# Altium PCB Version_2.PcbDoc (part 5 of 6)
Units mil, origin at the board's own origin, x right, y up, seen from the top; angles counter-clockwise.
Board outline 6692.91 x 6692.91 mil, 4 copper layers (Component Side, Ground Plane, Power, Solder Side), stack 33.234 mil thick; 798 components, 528 nets, 2533 pads, 836 vias.
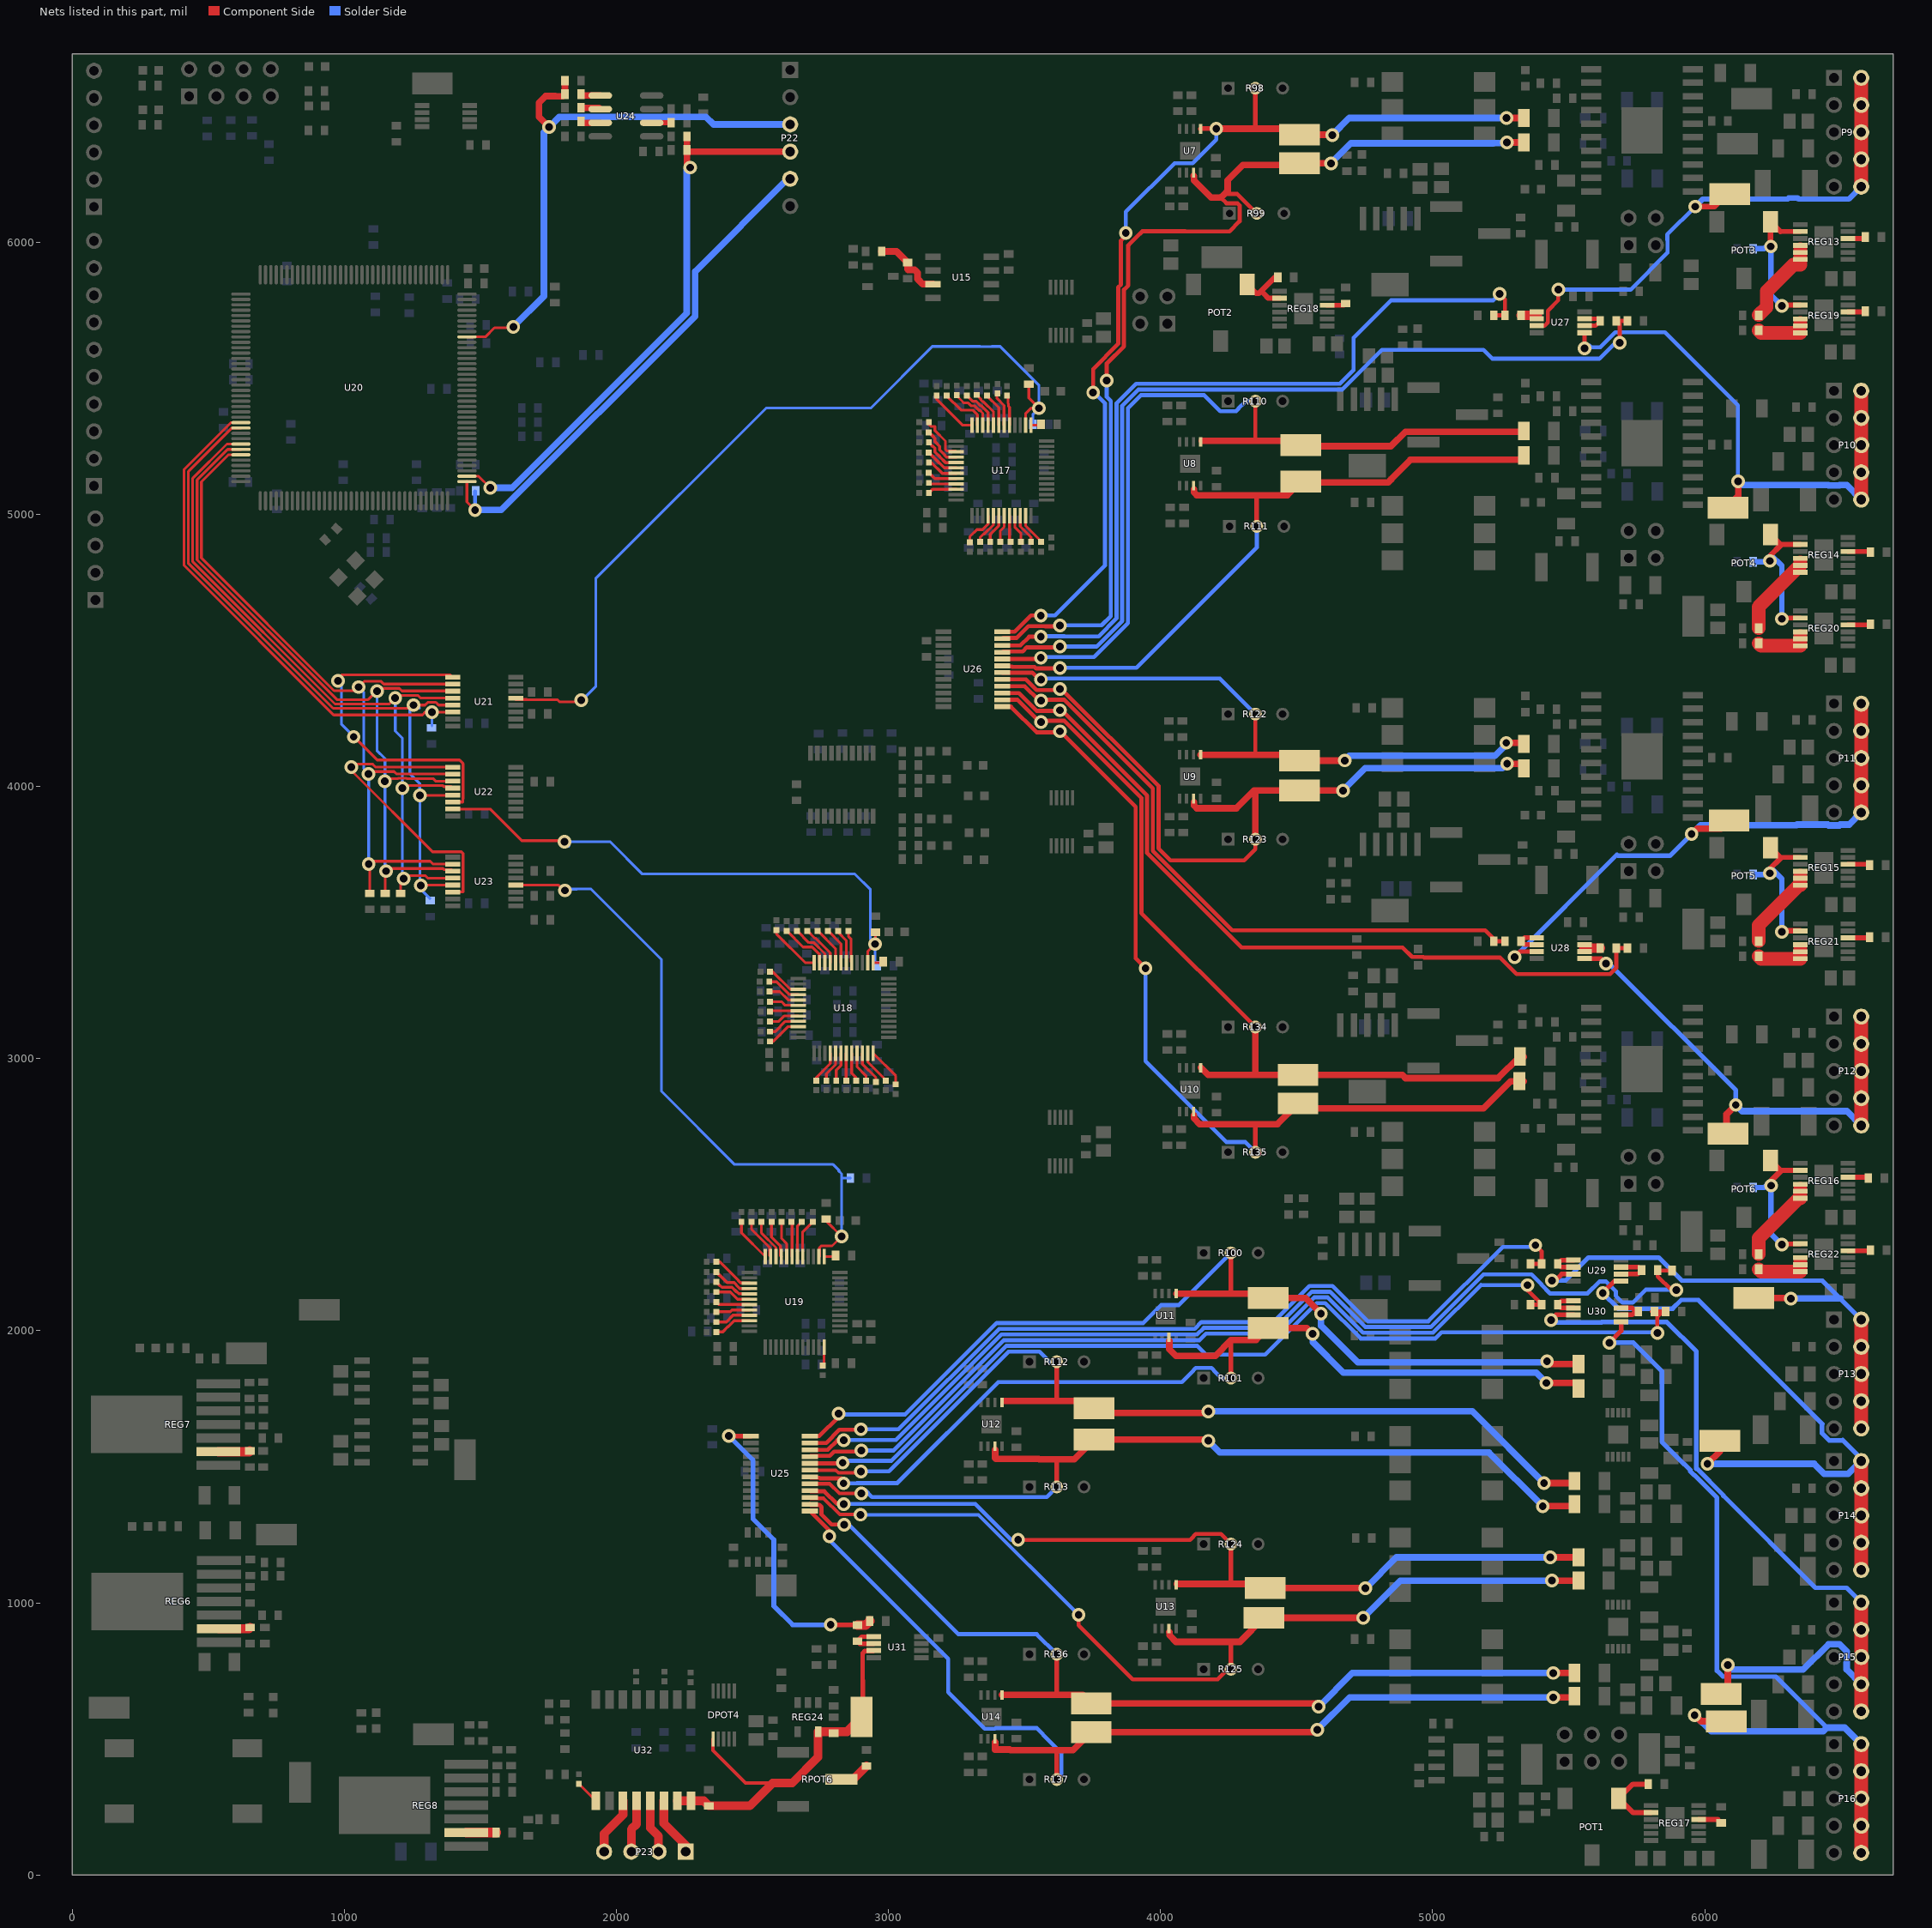
[diagram p7: the nets of this part, all layers, seen from the top]

## Via types
v1: diameter 50, hole 28, Component Side to Solder Side, 831 vias
v2: diameter 50/50/50 (per signal layer), hole 28, Component Side to Solder Side, 4 vias
v3: diameter 37.4, hole 19.68, Component Side to Solder Side, 1 vias

## Nets (pads, with @x,y where several pads share a name; then routed paths per layer and width w, separated by ;. In a path a pad name is that pad's centre, name@x,y a point inside that pad or via, vN(x,y) a via of type N, cw(c..) or ccw(c..) an arc to the next point about the centre after c; other vN are vias at no path point) (continued)
NetR306_2: R306.2 U24.7 | length 66
  Component Side w24: R306.2@1874.72,6439.04 U24.7@1940.71,6439.04
NetR307_2: R307.2 U24.6 | length 66
  Component Side w24: R307.2@1869.72,6494.04 U24.6@1935.71,6494.04
NetR308_2: R308.2 U24.5 | length 66
  Component Side w24: R308.2@1874.72,6539.04 U24.5@1940.71,6539.04
NetR309_2: R309.2 U24.2 | length 71
  Component Side w20: U24.2@2129.68,6439.04 R309.2@2200.67,6439.04
NetR331_1: R331.1 REG13.4 | length 59.5
  Component Side w18: REG13.4@6526.14,6013.76 R331.1@6585.61,6013.76
NetR332_1: R332.1 REG14.4 | length 80.1
  Component Side w18: REG14.4@6526.14,4863.76 R332.1@6606.22,4863.76
NetR333_1: R333.1 REG15.4 | length 77
  Component Side w18: REG15.4@6526.14,3713.76 R333.1@6603.17,3713.76
NetR334_1: R334.1 REG16.4 | length 74.5
  Component Side w18: REG16.4@6526.14,2563.76 R334.1@6598.64,2563.76
  Component Side w20: R334.1@6601.38,2561.02 R334.1@6601.38,2563.01
NetR335_1: R335.1 REG17.4 | length 87.5
  Component Side w19: REG17.4@5977.84,203.76 6047.91,203.76 R335.1@6060.24,191.43
NetR336_1: R336.1 REG18.4 | length 61.4
  Component Side w18: REG18.4@4611.85,5768.76 R336.1@4673.29,5768.76
NetR337_1: R337.1 REG19.4 | length 62.2
  Component Side w18: REG19.4@6526.14,5743.76 R337.1@6588.35,5743.76
NetR338_1: R338.1 REG20.4 | length 80.7
  Component Side w18: REG20.4@6526.14,4593.76 R338.1@6606.81,4593.76
NetR339_1: R339.1 REG21.4 | length 78
  Component Side w18: REG21.4@6526.14,3443.76 R339.1@6604.19,3443.76
NetR340_1: R340.1 REG22.4 | length 80.7
  Component Side w18: REG22.4@6526.14,2293.76 R340.1@6606.81,2293.76
NetR367_2: R367.2 RPOT6.2 | length 112.9
  Component Side w32: RPOT6.2@2826.77,351.38 2870.08,351.38 R367.2@2919.29,400.59
NetR375_1: R375.1 U18.24 | length 148.5
  Component Side w10: U18.24@2943.51,3019.62 3026.57,2936.56 R375.1@3026.57,2905.51
NetR376_1: R376.1 U19.24 | length 62.9
  Component Side w10: R376.1@2763.51,1876.69 U19.24@2763.51,1939.62
NetR377_2: R377.2 U19.48 | length 164.5
  Component Side w10: R377.2@2459.65,2400.59 2459.65,2359.63 U19.48@2546.97,2272.3
NetR378_2: R378.2 U18.48 | length 196.8
  Component Side w10: R378.2@2588.58,3472.44 2588.58,3457.68 2693.96,3352.3 U18.48@2726.97,3352.3
NetR379_2: R379.2 U19.47 | length 153.4
  Component Side w10: R379.2@2496.49,2400.59 2496.49,2372.79 2563.88,2305.4 U19.47@2563.88,2275.08
NetR380_2: R380.2 U17.48 | length 182.5
  Component Side w10: R380.2@3176.74,5436.02 3176.74,5423.65 3273.09,5327.3 U17.48@3306.97,5327.3
NetR381_2: R381.2 U18.47 | length 186.6
  Component Side w10: R381.2@2626.41,3469.49 2685.85,3410.04 2719.24,3410.04 2746.66,3382.62 U18.47@2746.66,3352.3
NetR382_1: R382.1 U19.3 | length 154.4
  Component Side w11: R382.1@2367.13,2252.95 2380.2,2252.95 2448.86,2184.29 2448.86,2183.88 2455.59,2177.14 2456.01,2177.14 2458.29,2174.86 U19.3@2488.9,2174.86
NetR383_2: R383.2 U19.46 | length 150.2
  Component Side w10: R383.2@2533.32,2400.59 2533.32,2358.58 2586.34,2305.56 U19.46@2586.34,2272.3
NetR384_2: R384.2 U17.47 | length 180.6
  Component Side w10: R384.2@3213.72,5436.02 3266.55,5383.2 3309.38,5383.2 3326.66,5365.92 U17.47@3326.66,5327.3
NetR385_1: R385.1 U18.3 | length 130.4
  Component Side w10: R385.1@2564.96,3318.76 2574.68,3318.76 2638.58,3254.86 U18.3@2668.9,3254.86
NetR386_2: R386.2 U18.46 | length 170.1
  Component Side w10: R386.2@2664.23,3469.49 2707.68,3426.04 2725.86,3426.04 2766.34,3385.56 U18.46@2766.34,3352.3
NetR387_1: R387.1 U19.4 | length 147.6
  Component Side w11: R387.1@2367.13,2216.11 2381.64,2201.6 2382.72,2201.6 2389.45,2194.86 2389.45,2193.79 2406.8,2176.44 2432.25,2176.44 2448.55,2160.14 2448.97,2160.14 2453.93,2155.17 U19.4@2488.9,2155.17
NetR388_2: R388.2 U19.45 | length 143.1
  Component Side w10: R388.2@2570.16,2400.59 2570.16,2344.37 2603.25,2311.28 2603.25,2275.08 U19.45@2606.03,2272.3
NetR389_1: R389.1 U17.3 | length 168.3
  Component Side w10: R389.1@3148.62,5330.14 3155.47,5323.29 3170.45,5323.29 3170.45,5308.31 3209.36,5269.4 3209.36,5239.08 3215.8,5232.64 3246.12,5232.64 U17.3@3248.9,5229.86
NetR390_2: R390.2 U17.46 | length 166.9
  Component Side w10: R390.2@3250.7,5436.02 3265.86,5420.87 3265.86,5420.64 3277.05,5409.45 3293.05,5409.45 3303.3,5399.2 3316,5399.2 3333,5382.2 3336.06,5382.2 3346.34,5371.92 U17.46@3346.34,5327.3
NetR391_1: R391.1 U18.4 | length 123.4
  Component Side w10: R391.1@2564.96,3282.2 2588.61,3282.2 2635.64,3235.17 U18.4@2668.9,3235.17
NetR392_2: R392.2 U18.45 | length 153.7
  Component Side w10: R392.2@2702.05,3469.49 2729.5,3442.04 2732.49,3442.04 2786.03,3388.5 U18.45@2786.03,3352.3
NetR393_1: R393.1 U19.5 | length 139.9
  Component Side w11: R393.1@2367.13,2179.27 2381.64,2164.76 2382.72,2164.76 2388.04,2159.44 2425.21,2159.44 2441.51,2143.14 2441.93,2143.14 2449.58,2135.49 U19.5@2488.9,2135.49
NetR394_2: R394.2 U19.44 | length 136
  Component Side w10: R394.2@2607,2400.59 2607,2338.86 2625.71,2320.16 U19.44@2625.71,2272.3
NetR395_1: R395.1 U17.4 | length 154.1
  Component Side w11: R395.1@3148.62,5301.46 3163.42,5286.67 3164.21,5286.67 3170.95,5279.93 3170.95,5266.55 3171.25,5266.55 3187.95,5249.85 3187.95,5236.78 3204.95,5219.78 3204.95,5218.98 3213.75,5210.17 U17.4@3248.9,5210.17
NetR396_2: R396.2 U17.45 | length 151.2
  Component Side w10: R396.2@3287.68,5436.02 3289.1,5436.02 3309.92,5415.2 3322.63,5415.2 3339.63,5398.2 3342.69,5398.2 3366.03,5374.86 U17.45@3366.03,5327.3
NetR397_1: R397.1 U18.5 | length 116.4
  Component Side w10: R397.1@2564.96,3245.64 2600.82,3245.64 2630.97,3215.49 U18.5@2668.9,3215.49
NetR398_2: R398.2 U18.44 | length 144.5
  Component Side w10: R398.2@2739.87,3469.49 2805.71,3403.65 U18.44@2805.71,3352.3
NetR399_1: R399.1 U19.6 | length 132.8
  Component Side w11: R399.1@2367.13,2142.44 2418.17,2142.44 2434.47,2126.14 2434.88,2126.14 2445.22,2115.8 U19.6@2488.9,2115.8
NetR400_2: R400.2 U19.43 | length 126.7
  Component Side w10: U19.43@2645.4,2272.3 R400.2@2645.4,2399.04
NetR401_1: R401.1 U17.5 | length 139.8
  Component Side w11: R401.1@3148.62,5264.34 3152.95,5260.02 3152.95,5258.6 3162,5249.55 3164.21,5249.55 3170.95,5242.81 3170.95,5229.73 3187.95,5212.73 3187.95,5211.94 3209.4,5190.49 U17.5@3248.9,5190.49
NetR402_2: R402.2 U17.44 | length 137.5
  Component Side w10: R402.2@3324.66,5436.02 3327.49,5436.02 3339.82,5423.7 3339.82,5420.64 3346.26,5414.2 3349.32,5414.2 3385.71,5377.81 U17.44@3385.71,5327.3
NetR403_1: R403.1 U18.6 | length 109.4
  Component Side w10: R403.1@2564.96,3209.08 2606.86,3209.08 2620.14,3195.8 U18.6@2668.9,3195.8
NetR404_2: R404.2 U18.43 | length 136.9
  Component Side w10: R404.2@2777.7,3469.49 2825.4,3421.79 U18.43@2825.4,3352.3
NetR405_1: R405.1 U19.7 | length 125.7
  Component Side w11: R405.1@2367.13,2105.6 2376.6,2096.12 U19.7@2488.9,2096.12
NetR406_2: R406.2 U19.42 | length 134.8
  Component Side w10: U19.42@2665.08,2272.3 2665.67,2272.89 2665.67,2385.58 R406.2@2680.68,2400.59
NetR407_1: R407.1 U17.6 | length 124.1
  Component Side w11: R407.1@3148.62,5227.22 3163.42,5212.43 3164.21,5212.43 3170.95,5205.69 3170.95,5204.9 3205.04,5170.8 U17.6@3248.9,5170.8
NetR408_2: R408.2 U17.43 | length 126.8
  Component Side w10: R408.2@3361.64,5436.02 3405.4,5392.27 U17.43@3405.4,5327.3
NetR409_1: R409.1 U18.7 | length 100.3
  Component Side w10: R409.1@2568.56,3176.12 U18.7@2668.9,3176.12
NetR410_2: R410.2 U18.42 | length 129.4
  Component Side w10: R410.2@2815.52,3469.49 2815.52,3463.46 2845.08,3433.9 U18.42@2845.08,3352.3
NetR411_1: R411.1 U19.8 | length 125
  Component Side w11: R411.1@2367.13,2068.76 2367.43,2069.06 2417.08,2069.06 2424.45,2076.43 U19.8@2488.9,2076.43
NetR412_2: R412.2 U19.41 | length 143.9
  Component Side w10: U19.41@2684.77,2272.3 2684.77,2362.92 R412.2@2722.44,2400.59
NetR413_1: R413.1 U17.7 | length 116.4
  Component Side w11: R413.1@3148.62,5190.1 3158.32,5190.1 3197.31,5151.12 U17.7@3248.9,5151.12
NetR414_2: R414.2 U17.42 | length 119.7
  Component Side w10: R414.2@3398.62,5436.02 3398.62,5426.18 3424.58,5400.22 3424.58,5327.8 U17.42@3425.08,5327.3
NetR415_1: R415.1 U18.8 | length 112.4
  Component Side w10: R415.1@2564.96,3135.97 2595.65,3135.97 2616.12,3156.43 U18.8@2668.9,3156.43
NetR416_2: R416.2 U18.41 | length 118
  Component Side w10: R416.2@2853.34,3469.49 2853.34,3448.27 2861.99,3439.63 U18.41@2861.99,3355.08
NetR417_1: R417.1 U19.9 | length 132.1
  Component Side w11: R417.1@2367.13,2031.92 2403.98,2031.92 2428.81,2056.75 U19.9@2488.9,2056.75
NetR418_1: R418.1 U17.8 | length 109.2
  Component Side w11: R418.1@3148.62,5152.98 3163.42,5138.19 3164.21,5138.19 3170.95,5131.45 ; 3170.95,5131.43 U17.8@3248.9,5131.43
NetR419_2: R419.2 U17.41 | length 106.9
  Component Side w10: R419.2@3441.53,5430.1 3439.58,5430.1 3439.58,5407.85 3440.58,5406.85 3440.58,5398.15 3444.77,5393.97 U17.41@3444.77,5327.3
NetR420_1: R420.1 U18.9 | length 119.4
  Component Side w10: R420.1@2564.96,3099.41 2583.66,3099.41 2621,3136.75 U18.9@2668.9,3136.75
NetR421_1: R421.1 U19.10 | length 139.2
  Component Side w11: R421.1@2367.13,1995.08 2389.76,1995.08 2409.6,2014.92 2411.02,2014.92 2433.16,2037.06 U19.10@2488.9,2037.06
NetR422_1: R422.1 U17.9 | length 96.2
  Component Side w11: R422.1@3152.73,5111.75 U17.9@3248.9,5111.75
NetR423_1: R423.1 U18.10 | length 126.4
  Component Side w10: R423.1@2564.96,3062.85 2575.65,3062.85 2629.86,3117.06 U18.10@2668.9,3117.06
NetR424_1: R424.1 U17.10 | length 105.8
  Component Side w11: R424.1@3148.62,5078.74 3161.94,5092.06 U17.10@3248.9,5092.06
NetR425_1: R425.1 U18.16 | length 121.4
  Component Side w10: R425.1@2735.24,2919.29 2735.24,2931.1 2786.03,2981.89 U18.16@2786.03,3019.62
NetR426_1: R426.1 U17.16 | length 135.9
  Component Side w10: R426.1@3299.21,4898.62 3299.21,4918.31 3324.8,4943.9 3345.62,4943.9 3366.03,4964.3 U17.16@3366.03,4994.62
NetR427_1: R427.1 U18.17 | length 114.4
  Component Side w10: R427.1@2771.65,2919.29 2771.65,2943.9 2805.71,2977.95 U18.17@2805.71,3019.62
NetR428_1: R428.1 U17.17 | length 117.8
  Component Side w10: R428.1@3336.62,4898.62 3336.62,4914.81 3349.7,4927.9 3352.25,4927.9 3385.71,4961.36 U17.17@3385.71,4994.62
NetR429_1: R429.1 U18.18 | length 107.5
  Component Side w10: R429.1@2808.07,2919.29 2808.07,2957.69 2825.4,2975.01 U18.18@2825.4,3019.62
NetR430_1: R430.1 U17.18 | length 109
  Component Side w10: R430.1@3374.02,4898.62 3374.02,4927.04 3405.4,4958.42 U17.18@3405.4,4994.62
NetR431_1: R431.1 U18.19 | length 99.7
  Component Side w10: R431.1@2844.49,2919.29 U18.19@2844.49,3019.03
NetR432_1: R432.1 U17.19 | length 101.7
  Component Side w10: R432.1@3411.42,4898.62 3411.42,4939.96 3425.08,4953.62 U17.19@3425.08,4994.62
NetR433_1: R433.1 U18.20 | length 107
  Component Side w10: U18.20@2864.77,3019.62 2864.77,2946.26 2880.91,2930.12 R433.1@2880.91,2919.29
NetR434_1: R434.1 U17.20 | length 91.9
  Component Side w10: R434.1@3444.77,4902.68 U17.20@3444.77,4994.62
NetR435_1: R435.1 U18.21 | length 113.9
  Component Side w10: U18.21@2884.45,3019.62 2884.45,2969.88 2917.32,2937.01 R435.1@2917.32,2919.29
NetR436_1: R436.1 U17.21 | length 105
  Component Side w10: U17.21@3464.45,4994.62 3464.45,4952.87 3486.22,4931.1 R436.1@3486.22,4898.62
NetR437_1: R437.1 U18.22 | length 120.9
  Component Side w10: U18.22@2904.14,3019.62 2904.14,2979.72 2953.74,2930.12 R437.1@2953.74,2919.29
NetR438_1: R438.1 U17.22 | length 112.4
  Component Side w10: U17.22@3484.14,4994.62 3484.14,4955.81 3523.62,4916.33 R438.1@3523.62,4898.62
NetR439_1: R439.1 U18.23 | length 125.8
  Component Side w10: U18.23@2923.82,3019.62 2923.82,2987.6 R439.1@2990.16,2921.26
NetR440_1: R440.1 U17.23 | length 119.5
  Component Side w10: U17.23@3503.82,4994.62 3503.82,4958.76 3560.58,4901.99 R440.1@3560.58,4898.62
NetR444_2: R444.2 U32.9 | length 87.9
  Component Side w10: R444.2@1862.2,334.65 1924.21,272.64 U32.9@1924.41,272.64
OP193: C60.2 R147.2 U15.3 | length 265.5
  Component Side w25: R147.2@2974.77,5965.96 3029.77,5965.96 C60.2@3070.24,5925.49 3070.24,5901.22 3072.74,5898.71 3095.62,5898.71 3106.45,5887.88 3106.45,5865 3125.49,5845.96 U15.3@3162.95,5845.96
OUT1: P9.2 P9.4 P9.6 P9.8 P9.10 TP36.1 U27.3 | length 2028.9
  Component Side w14: U27.3@5382.64,5693.17 5410.87,5693.17 5413.86,5696.16 5414.6,5696.16 5422.21,5703.78 5422.21,5704.51 5423.18,5705.48 5423.18,5748.1 5461.61,5786.53
  Component Side w15: 5461.61,5786.53 v1(5461.61,5825.79)
  Component Side w20: v1(5965.24,6130.96) 6036.22,6130.96 TP36.1@6080.24,6174.98
  Component Side w50: P9.10@6575.24,6204.27 P9.8@6575.24,6304.27 P9.6@6575.24,6404.27 P9.4@6575.24,6504.27 P9.2@6575.24,6604.27
  Solder Side w15: v1(5461.61,5825.79) 5727.36,5825.79 5863.36,5961.78 5863.36,6007.09 5862.36,6008.09 5862.36,6028.08 v1(5965.24,6130.96)
  Solder Side w20: v1(5965.24,6130.96) 5993.02,6158.74 6304.5,6158.74 6307.82,6162.06 6341.79,6162.06 6345.11,6158.74 6529.71,6158.74 P9.10@6575.24,6204.27
OUT1A: R341.2 REG13.10 REG13.11 REG13.12 | length 320.1
  Component Side w50: R341.2@6198.07,5731.96 6227.55,5761.44 6227.55,5819.16 6325.35,5916.96 6350.95,5916.96 REG13.11@6350.95,5962.58 6350.95,5973.7
OUT1B: R345.2 REG19.10 REG19.11 REG19.12 | length 167.7
  Component Side w50: R345.2@6198.07,5675.96 6207.05,5666.99 REG19.12@6350.95,5666.99 ; REG19.11@6350.95,5692.58 6350.95,5703.7
OUT2: P10.2 P10.4 P10.6 P10.8 P10.10 TP41.1 U27.5 | length 2024.1
  Component Side w15: U27.5@5557.84,5667.58 5558.07,5667.81 v1(5558.07,5610.24)
  Component Side w24: TP41.1@6080.24,5024.98 6123.03,5067.77 v1(6123.03,5121.06)
  Component Side w50: P10.10@6575.24,5054.27 P10.8@6575.24,5154.27 P10.6@6575.24,5254.27 P10.4@6575.24,5354.27 P10.2@6575.24,5454.27
  Solder Side w15: v1@5575.79,5619.1 5577.04,5620.35 5583.22,5614.17 5616.26,5614.17 5671.47,5669.39 5853.15,5669.39 6122.05,5400.49 v1@6122.05,5107.28
  Solder Side w24: v1@6122.05,5107.28 6455.01,5107.28 6455.55,5106.74 6494.92,5106.74 6495.47,5107.28 6522.22,5107.28 P10.10@6575.24,5054.27
OUT2A: R342.2 REG14.10 REG14.11 REG14.12 | length 305.1
  Component Side w50: R342.2@6198.07,4581.96 6198.07,4659.7 REG14.11@6350.95,4812.58 6350.95,4823.7
OUT2B: R346.2 REG20.10 REG20.11 REG20.12 | length 191.8
  Component Side w50: R346.2@6198.07,4525.96 6207.05,4516.99 REG20.12@6350.95,4516.99 REG20.11@6350.95,4542.58 6350.95,4552.17
OUT3: P11.2 P11.4 P11.6 P11.8 P11.10 TP37.1 U28.3 | length 2123.1
  Component Side w17: v1(5301.18,3373.03) 5321.32,3393.17 U28.3@5382.64,3393.17
  Component Side w24: v1(5951.77,3824.8) 5972.44,3845.47 6060.04,3845.47 TP37.1@6071.72,3857.15
  Component Side w50: P11.10@6575.24,3904.27 P11.8@6575.24,4004.27 P11.6@6575.24,4104.27 P11.4@6575.24,4204.27 P11.2@6575.24,4304.27
  Solder Side w17: v1(5301.18,3373.03) 5677.3,3749.15 5681.21,3745.24 5872.21,3745.24 v1(5951.77,3824.8)
  Solder Side w24: v1(5951.77,3824.8) 5984.71,3857.74 6337.72,3857.74 6339.89,3859.91 6452.38,3859.91 6455.55,3856.74 6494.92,3856.74 6498.1,3859.91 6530.88,3859.91 P11.10@6575.24,3904.27
OUT3A: R343.2 REG15.10 REG15.11 REG15.12 | length 311
  Component Side w50: R343.2@6198.07,3431.96 6198.07,3489.68 6345.37,3636.99 REG15.12@6350.95,3636.99 ; REG15.12@6346.79,3636.99 REG15.12@6350.95,3636.99 ; 6350.95,3672.24 REG15.12@6350.95,3636.99
OUT3B: R347.2 REG21.10 REG21.11 REG21.12 | length 191.2
  Component Side w50: R347.2@6198.07,3375.96 6207.05,3366.99 REG21.12@6350.95,3366.99 REG21.11@6350.95,3392.58 REG21.11@6350.95,3401.57
OUT4: P12.2 P12.4 P12.6 P12.8 P12.10 TP42.1 U28.5 | length 1822.8
  Component Side w17: U28.5@5557.84,3367.58 5618.64,3367.58 v1(5636.81,3349.41)
  Component Side w24: TP42.1@6080.24,2724.98 6080.24,2795.79 v1(6114.17,2829.72)
  Component Side w50: P12.10@6575.24,2754.27 P12.8@6575.24,2854.27 P12.6@6575.24,2954.27 P12.4@6575.24,3054.27 P12.2@6575.24,3154.27
  Solder Side w17: v1(5636.81,3349.41) 5648.62,3349.41 6114.17,2883.86 v1(6114.17,2829.72)
  Solder Side w24: v1(6114.17,2829.72) 6137.16,2806.74 6520.77,2806.74 6521.77,2807.74 P12.10@6575.24,2754.27
OUT4A: R344.2 REG16.10 REG16.11 REG16.12 | length 310.4
  Component Side w50: R344.2@6198.07,2281.96 6198.07,2339.68 6345.37,2486.99 REG16.12@6350.95,2486.99 ; REG16.12@6346.79,2486.99 REG16.12@6350.95,2486.99 ; 6350.95,2521.65 REG16.12@6350.95,2486.99
OUT4B: R348.2 REG22.10 REG22.11 REG22.12 | length 191.6
  Component Side w50: R348.2@6198.07,2225.96 6207.05,2216.99 REG22.12@6350.95,2216.99 REG22.11@6350.95,2242.58 6350.95,2251.97
OUT5: P13.2 P13.4 P13.6 P13.8 P13.10 TP38.1 U29.3 | length 2053.3
  Component Side w17: v1@5456.85,2190.94 5474.07,2208.17 U29.3@5517.64,2208.17
  Component Side w24: TP38.1@6180.24,2119.98 6315.06,2119.98 v1(6316.93,2118.11)
  Component Side w50: P13.10@6575.24,1640.96 P13.8@6575.24,1740.96 P13.6@6575.24,1840.96 P13.4@6575.24,1940.96 P13.2@6575.24,2040.96
  Solder Side w17: v1(5438.01,2184.47) 5487.77,2184.47 5488.19,2184.06 5572.83,2268.7 5831.02,2268.7 5915.67,2184.06 6432.14,2184.06 6498.09,2118.11 P13.2@6575.24,2040.96
  Solder Side w24: v1(6316.93,2118.11) 6498.09,2118.11
OUT6: P14.2 P14.4 P14.6 P14.8 P14.10 TP43.1 U29.5 | length 2445.8
  Component Side w17: v1(5625.2,2138.38) 5625.2,2139.38 5668.89,2183.07 U29.5@5687.99,2183.07
  Component Side w24: v1(6010.14,1510.9) 6010.14,1511.12 6055.24,1556.22 TP43.1@6055.24,1594.98
  Component Side w50: P14.10@6575.24,1120.96 P14.8@6575.24,1220.96 P14.6@6575.24,1320.96 P14.4@6575.24,1420.96 P14.2@6575.24,1520.96
  Solder Side w17: v1(5625.2,2138.38) 5682.24,2081.34 5881.85,2081.34 5913.81,2113.3 5976.58,2113.3 6432.21,1657.67 ; 6431.21,1657.67 6431.21,1622.73 6457,1596.93 6506.53,1596.93 6507.53,1597.93 6575.24,1530.22 P14.2@6575.24,1520.96
  Solder Side w24: v1(6010.14,1510.9) 6402.2,1510.9 6402.2,1509.49 6438.25,1473.43 6527.71,1473.43 P14.2@6575.24,1520.96
OUT7: P15.2 P15.4 P15.6 P15.8 P15.10 TP39.1 U30.3 | length 3073
  Component Side w17: v1(5435.04,2039.37) 5453.84,2058.17 U30.3@5517.64,2058.17
  Component Side w24: TP39.1@6060.24,664.98 6084.94,689.68 v1(6084.94,771.69)
  Component Side w50: P15.10@6575.24,600.96 P15.8@6575.24,700.96 P15.6@6575.24,800.96 P15.4@6575.24,900.96 P15.2@6575.24,1000.96
  Solder Side w17: v1(5435.04,2039.37) 5444.01,2030.4 5620.28,2030.4 5621.51,2031.63 5861.09,2031.63 5969.37,1923.34 5969.37,1492.91 5970.79,1492.91 6068.28,1395.42 6068.28,1394.01 6407.17,1055.12 6521.08,1055.12 P15.2@6575.24,1000.96
  Solder Side w24: v1(6084.94,771.69) 6084.94,765.45 6094.96,755.43 6272.19,755.43 6273.19,754.43 6361.5,754.43 6455.55,848.49 6494.92,848.49 6522.77,820.65 6522.77,781.28 6521.77,780.28 6521.77,754.43 P15.8@6575.24,700.96
OUT8: P16.2 P16.4 P16.6 P16.8 P16.10 TP44.1 U30.5 | length 3206.8
  Component Side w17: v1(5649.61,1955.71) 5692.84,1998.94 U30.5@5692.84,2032.58
  Component Side w24: v1(5962.6,586.61) 5964.57,586.61 5986.2,564.98 TP44.1@6085.24,564.98
  Component Side w50: P16.10@6575.24,80.96 P16.8@6575.24,180.96 P16.6@6575.24,280.96 P16.4@6575.24,380.96 P16.2@6575.24,480.96
  Solder Side w17: v1(5649.61,1955.71) 5737.96,1955.71 5842.29,1851.38 5842.29,1591.46 5923.7,1510.04 5925.11,1510.04 5946.37,1488.78 5946.37,1483.38 5959.85,1469.91 5961.26,1469.91 6045.28,1385.9 6045.28,750.67 6067.01,728.93 6261.21,728.93 6448.81,541.34
  Solder Side w24: v1(5962.6,586.61) 5964.57,586.61 6023.69,527.49 6434.96,527.49 6448.81,541.34 6514.86,541.34 P16.2@6575.24,480.96
OUT9: C148.2 C151.1 DPOT4.1 REG24.5 TP45.1 U31.3 U32.15 U32.16 | length 1465.1
  Component Side w12: DPOT4.1@2355.16,499.69 2355.16,457.74 2474.81,338.09 2574.31,338.09
  Component Side w17: TP45.1@2905.78,580.71 2905.78,714.23 2904.95,715.06 2904.95,814.5 2913.44,822.99 2944.53,822.99 U31.3@2946.02,824.49